# Altium PCB Ultra_CAP.PcbDoc (part 1 of 2) (continued)
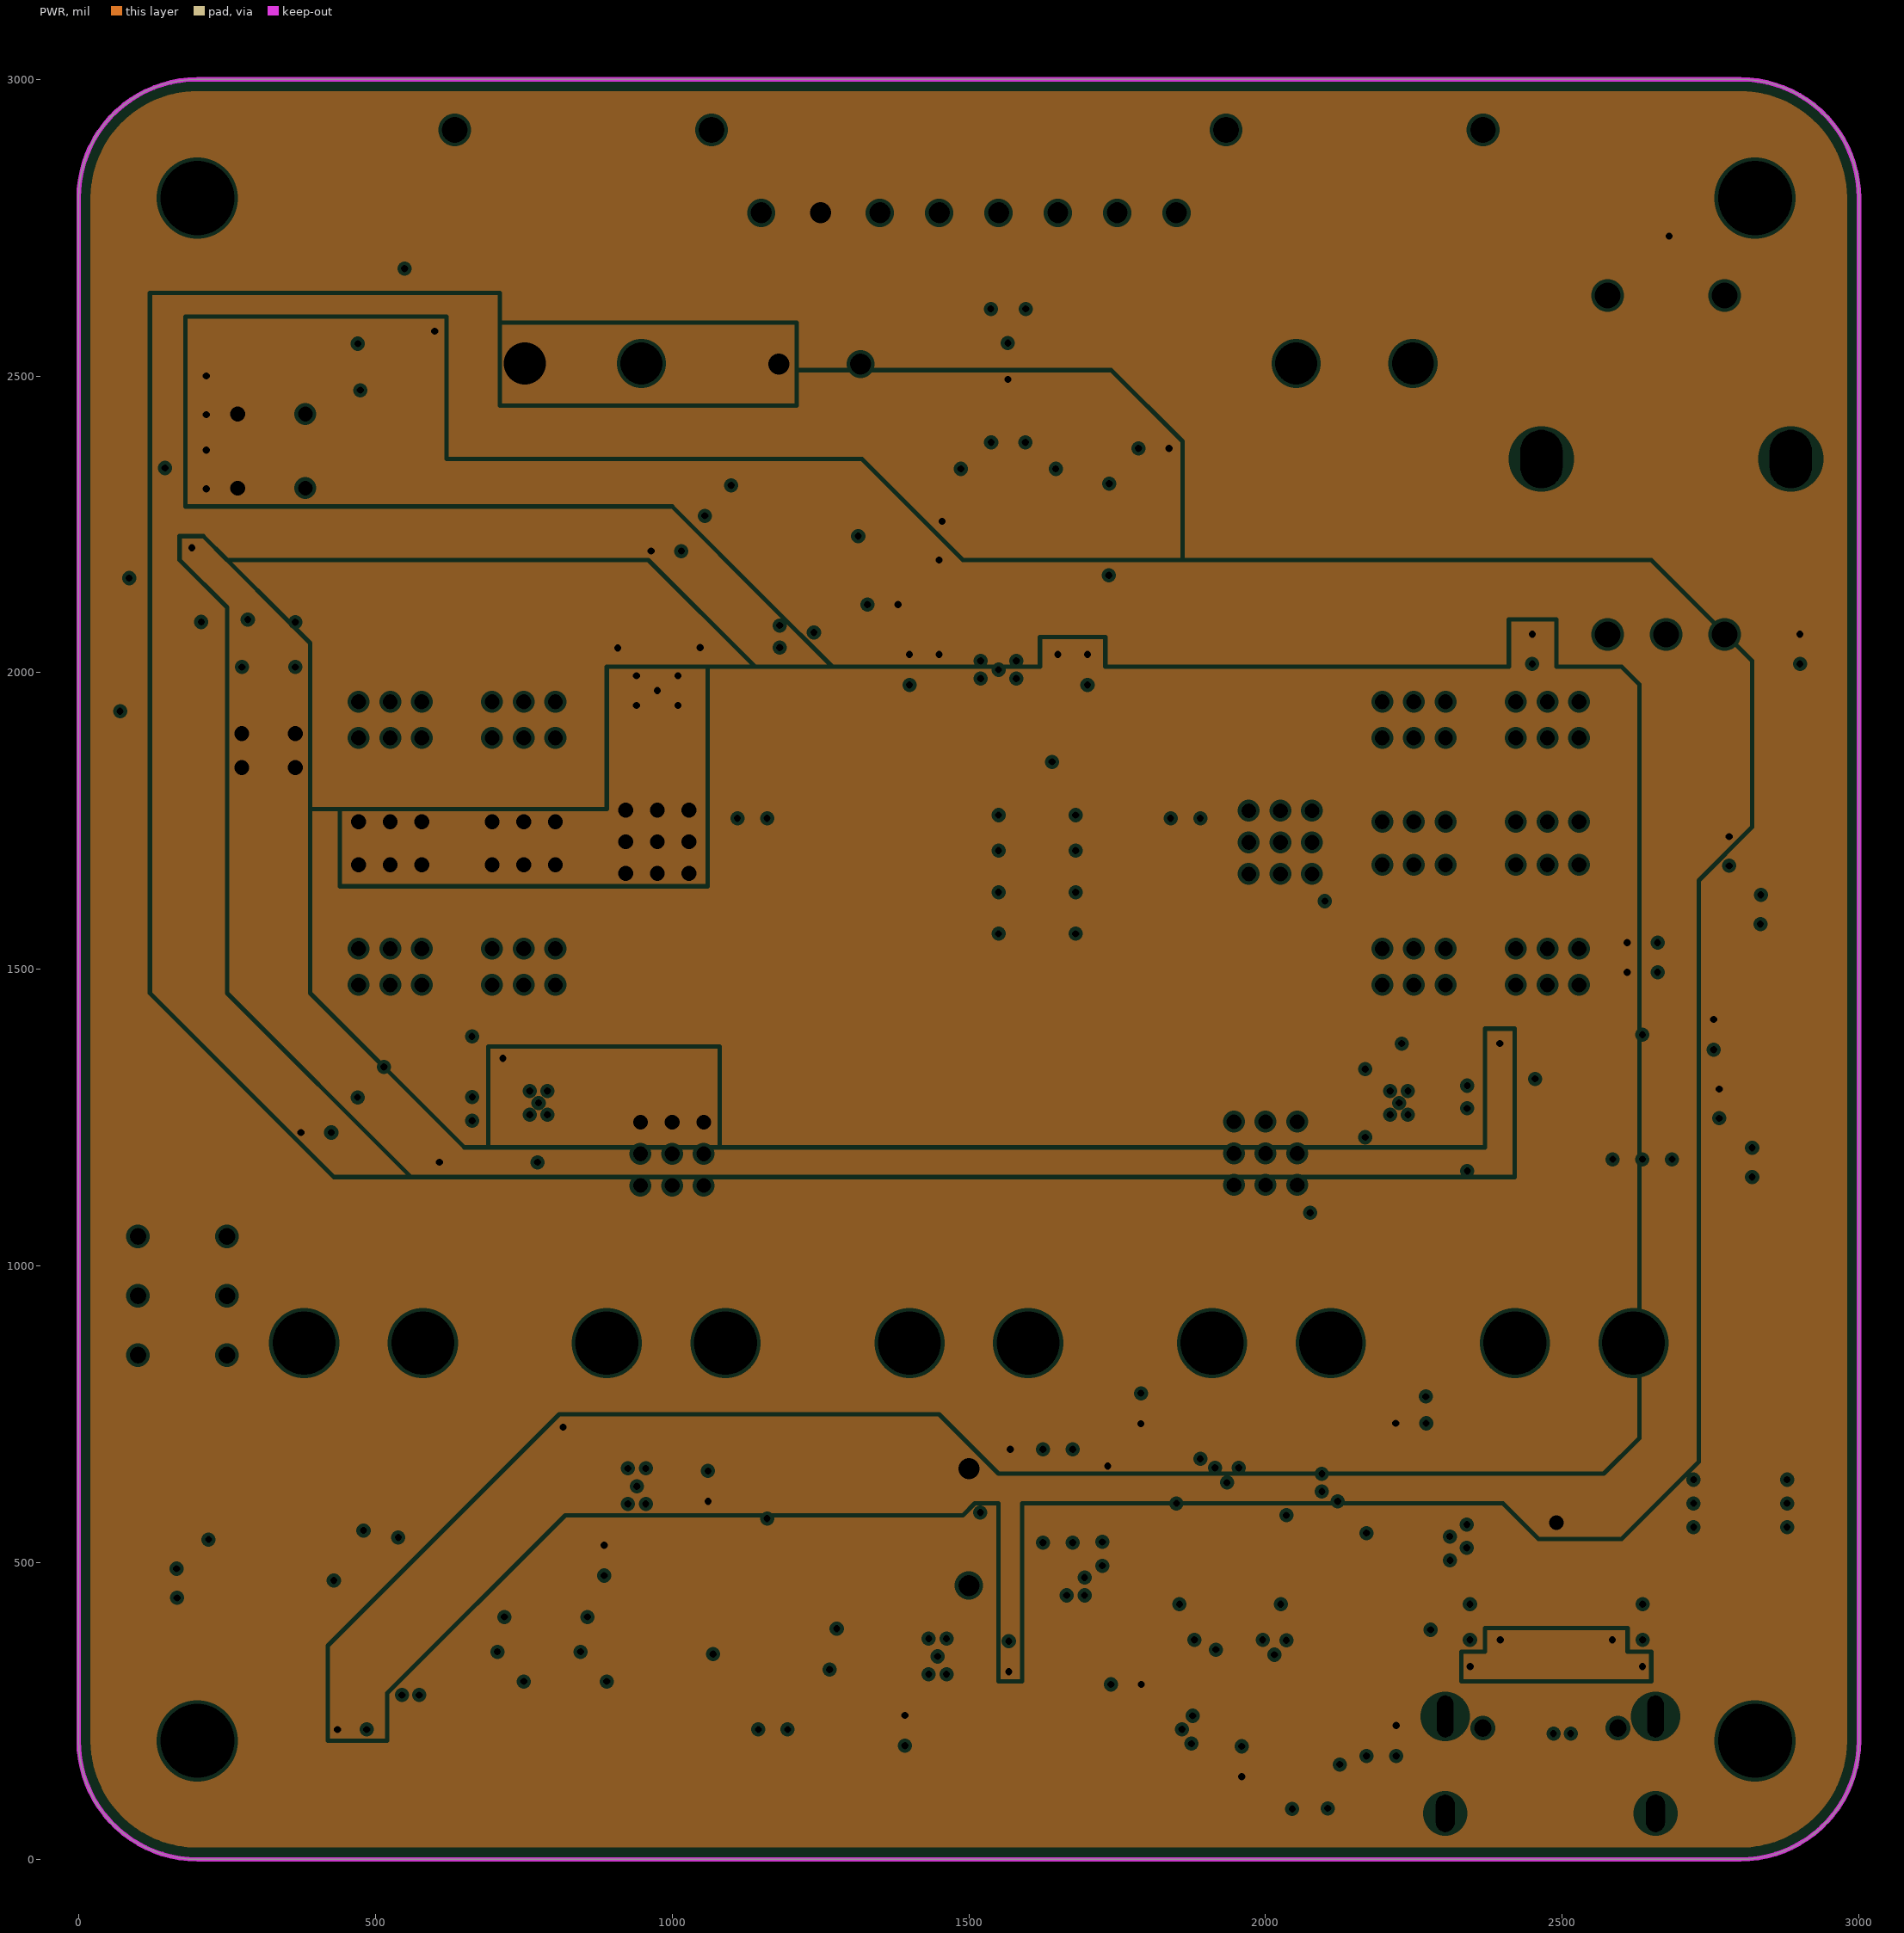
[diagram p3: PWR, clearances drawn from the general rule]
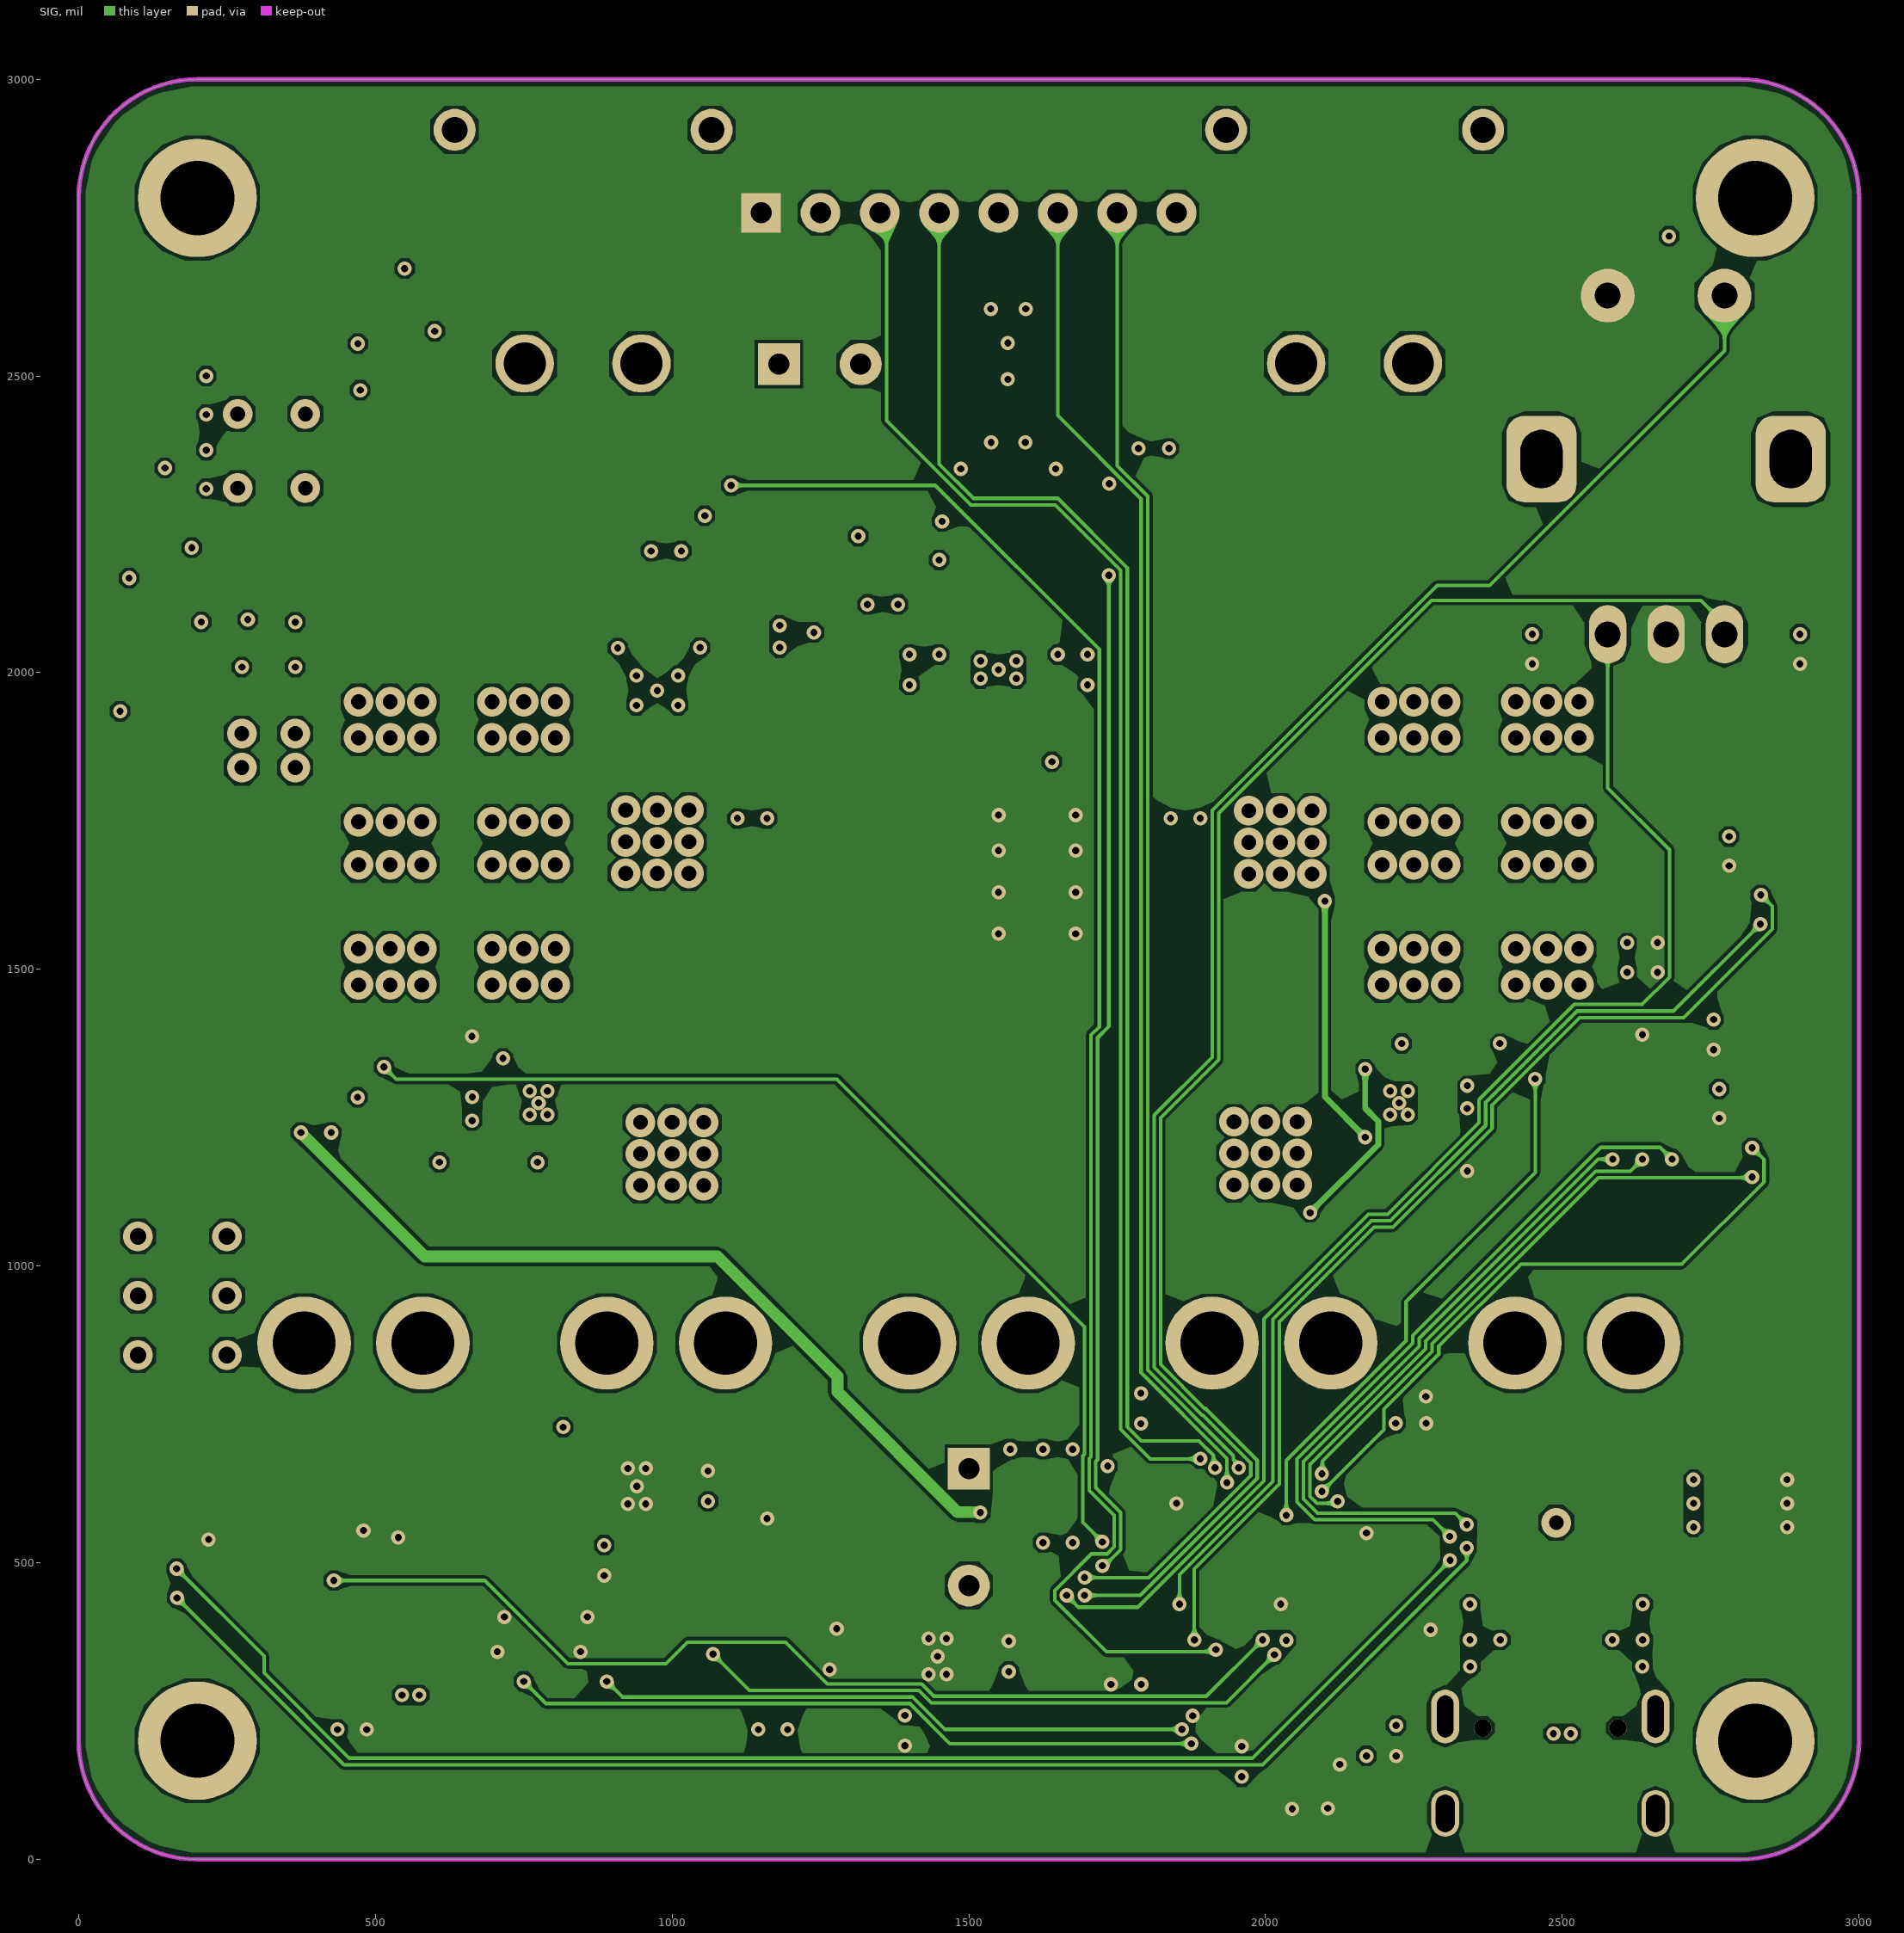
[diagram p4: SIG]
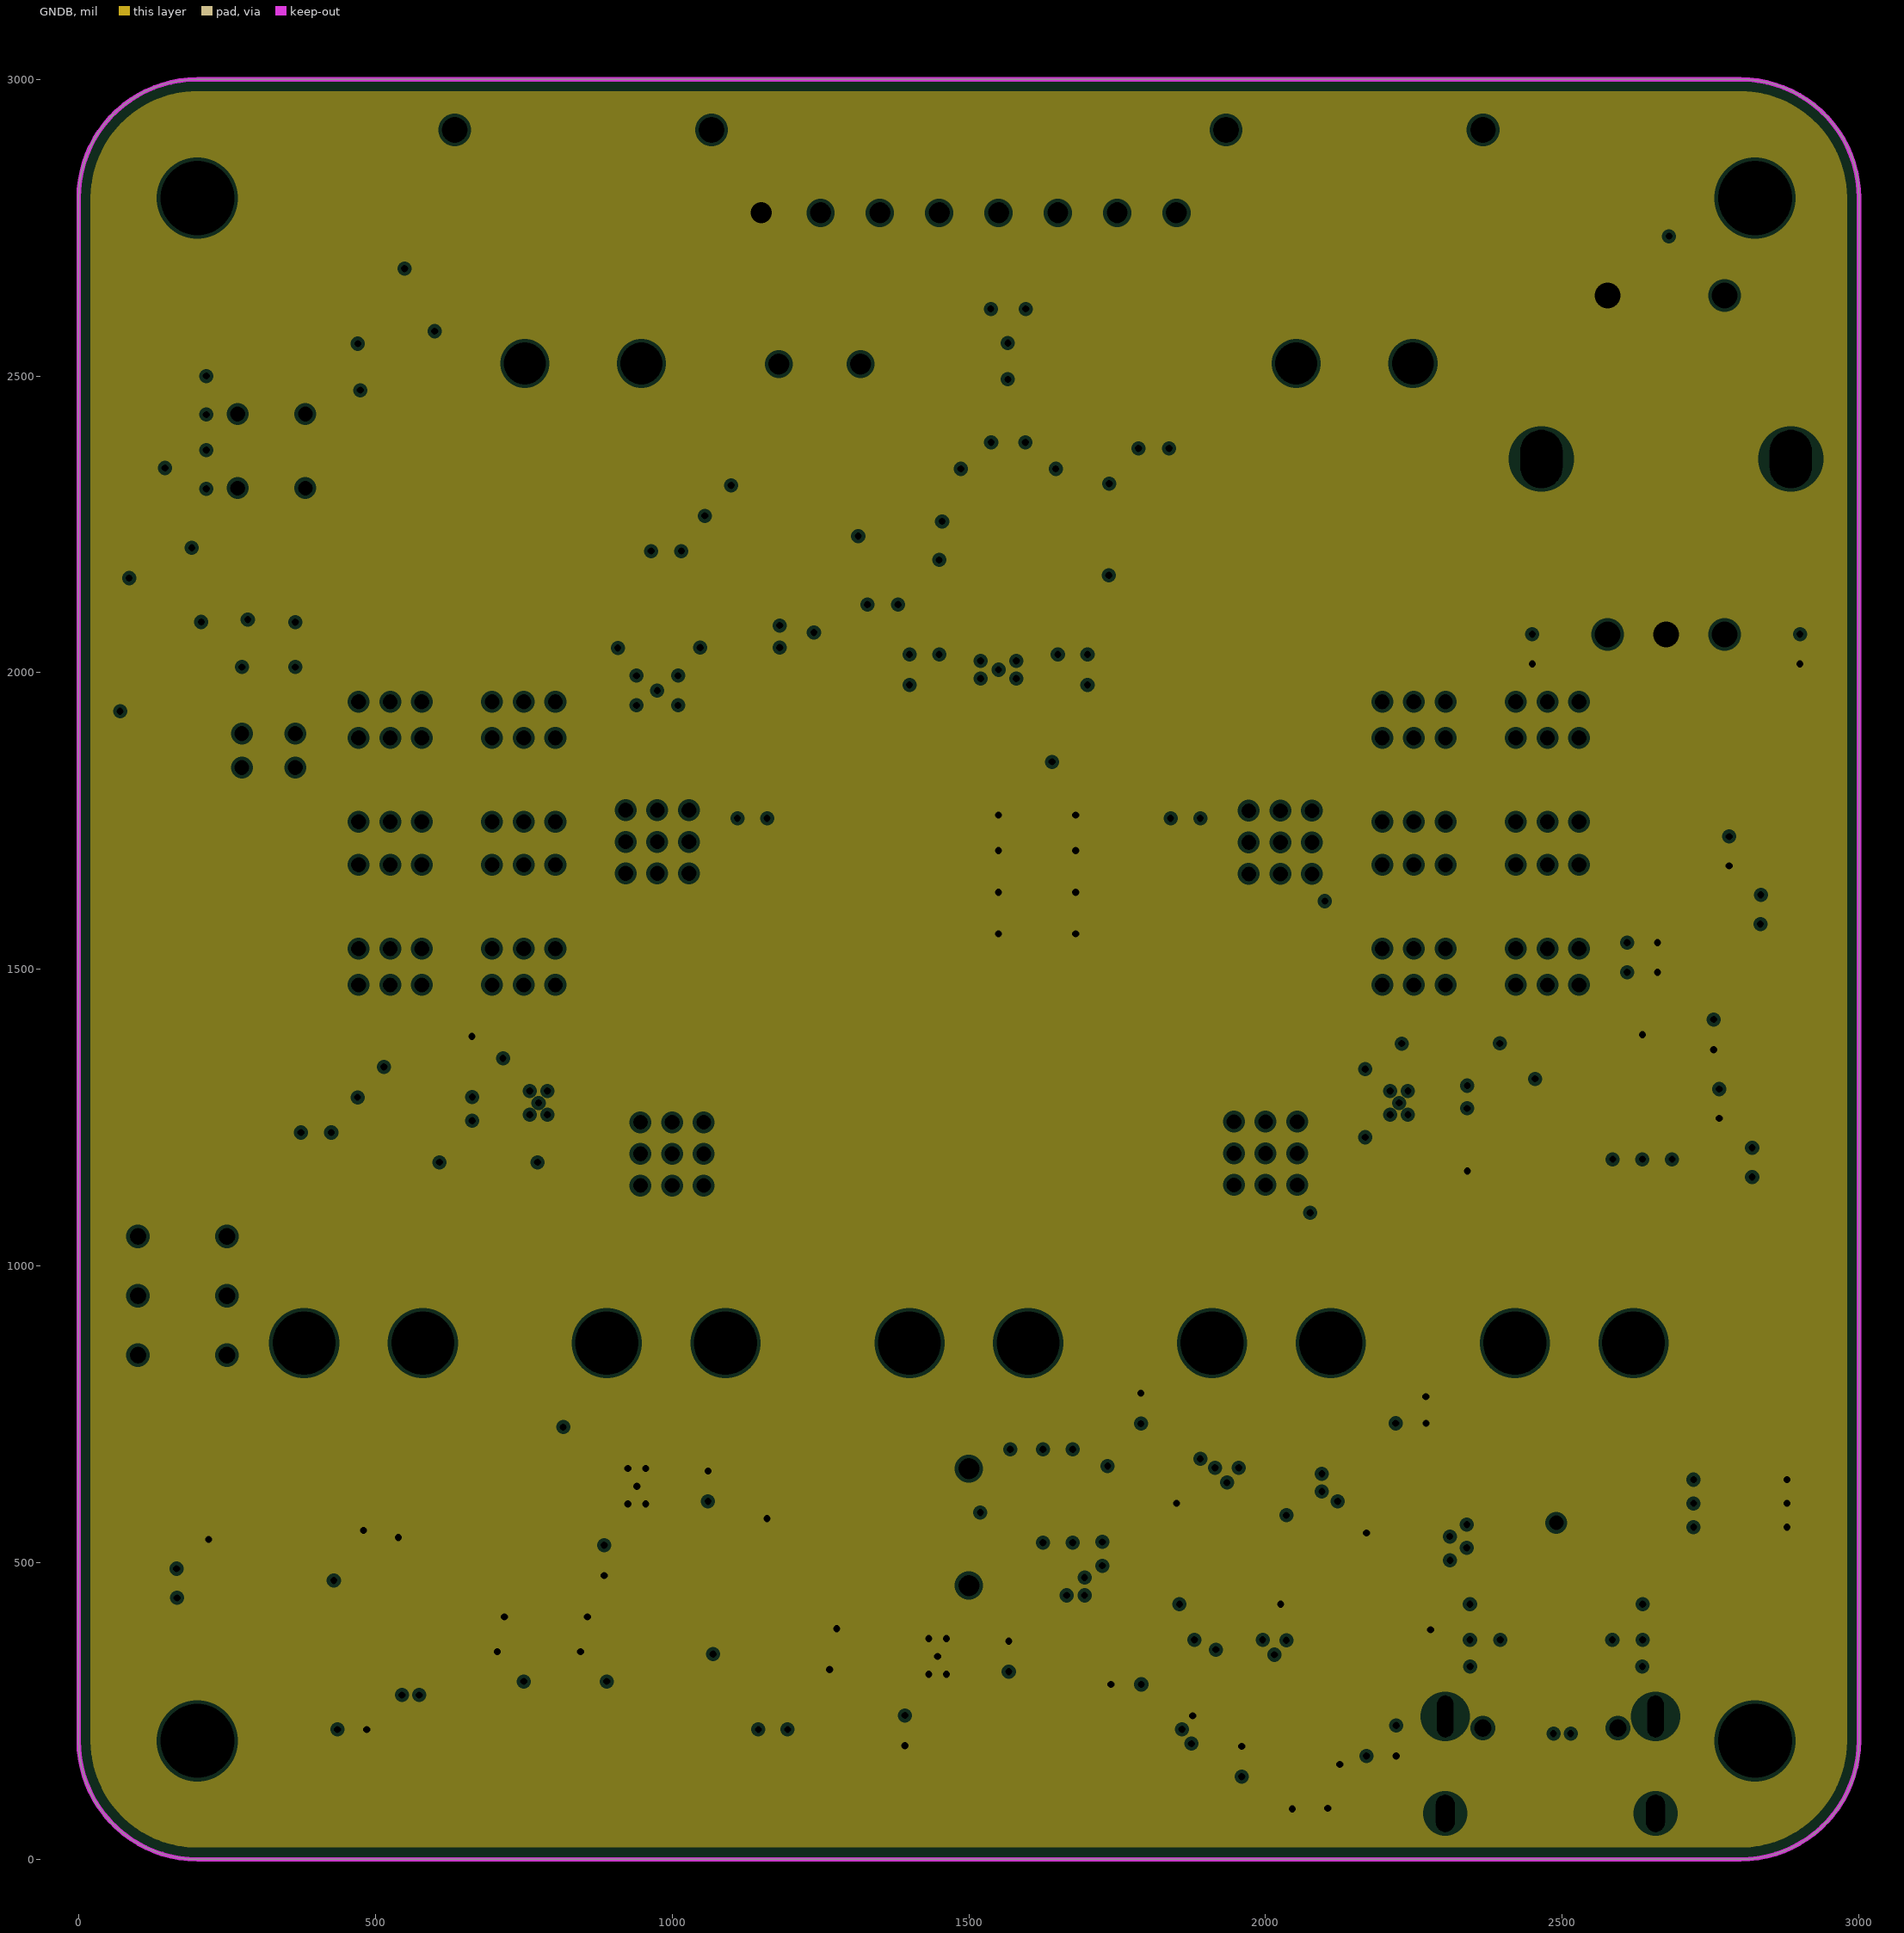
[diagram p5: GNDB, clearances drawn from the general rule]

## Layer stack, top to bottom
Top Solder: solder mask 0.4, Solder Resist, Dk 3.5
Top Layer: signal copper 1.38
Dielectric 2: prepreg 3.91, PP-006, Dk 4.1
GNDA: plane copper 0.6, net (Multiple Nets)
Dielectric 4: prepreg 21.65, PP-006, Dk 4.1
PWR: plane copper 0.6, net 3V3
Dielectric 1: dielectric 4.28, FR-4, Dk 4.8
SIG: signal copper 0.6
Dielectric 5: prepreg 21.65, PP-006, Dk 4.1
GNDB: plane copper 0.6, net SGND
Dielectric 3: prepreg 3.91, PP-006, Dk 4.1
Bottom Layer: signal copper 1.38
Bottom Solder: solder mask 0.4, Solder Resist, Dk 3.5

## Board outline
0,200 0,2800 cw(c200,2800) 200,3000 2800,3000 cw(c2800,2800) 3000,2800 3000,200 cw(c2800,200) 2800,0 200,0 cw(c200,200)

## Design rules (kind name [scope] priority, off if disabled: settings)
BoardOutlineClearance [All] p1: gap=12 ignorepadtopadclearanceinfootprint=FALSE
Clearance [All] p1: gap=5 ignorepadtopadclearanceinfootprint=TRUE
DiffPairsRouting [All] p1: maxlimit=10 minlimit=3.5 mostfreqgap=5 toplayer_minwidth=5 toplayer_maxwidth=15 toplayer_prefwidth=5 midlayer2_minwidth=5 midlayer2_maxwidth=15 midlayer2_prefwidth=5 bottomlayer_minwidth=5 bottomlayer_maxwidth=15 bottomlayer_prefwidth=5 maxuncoupledlength=300
Height [All] p1: minheight=0 maxheight=1000 prefheight=300
HoleSize [All] p1: absolutevalues=TRUE maxlimit=248.03 minlimit=7.87 maxpercent=80.000 minpercent=20.000
MinimumAnnularRing [All] p1: minimumring=7.87
MinimumSolderMaskSliver [All] p1: minsoldermaskwidth=5.12
PermittedLayers [All] p1: toplayerpermitted=TRUE bottomlayerpermitted=TRUE
PlaneClearance [All] p1: clearance=6
PlaneConnect [All] p1: planeconnectstyle=Direct reliefexpansion=20 reliefentries=4 reliefconductorwidth=10 reliefairgap=10
PolygonConnect [All] p1: connectstyle=Direct reliefconductorwidth=10 reliefentries=4 polygonreliefangle="90 Angle" airgapwidth=10
RoutingVias [All] p1: holewidth=8 width=16 viastyle="Through Hole" minholewidth=7.87 minwidth=11.81 maxholewidth=28 maxwidth=50
SignalStimulus "Schematic Signal Stimulus_1" [InNet('USB_P')] p1: kind=2 level=1 starttime=0.000 stoptime=41.67n periodtime=83.33n
SignalStimulus "Schematic Signal Stimulus" [InNet('USB_N')] p2: kind=2 level=1 starttime=0.000 stoptime=41.67n periodtime=83.33n
SilkToSilkClearance [All] p1: silktosilkclearance=2
SilkToSolderMaskClearance [IsPad] p1: minsilkscreentomaskgap=5.91 clearancetoexposedcopper=TRUE
SolderMaskExpansion [All] p1: expansion=4 istentingtop=FALSE
SupplyNets "Schematic Supply Nets_16" [InNet('AGND')] p1: voltage=0.000
SupplyNets "Schematic Supply Nets_15" [InNet('SGND')] p2: voltage=0.000
SupplyNets "Schematic Supply Nets_14" [InNet('NetC61_2')] p3: voltage=5.000
SupplyNets "Schematic Supply Nets_13" [InNet('NetC58_2')] p4: voltage=3.300
SupplyNets "Schematic Supply Nets_12" [InNet('NetC54_2')] p5: voltage=3.300
SupplyNets "Schematic Supply Nets_11" [InNet('NetChassis_in_2')] p6: voltage=24.00
SupplyNets "Schematic Supply Nets_10" [InNet('VIN')] p7: voltage=24.00
SupplyNets "Schematic Supply Nets_9" [InNet('NetBuck_5V_1')] p8: voltage=24.00
SupplyNets "Schematic Supply Nets_8" [InNet('VIN_ORing')] p9: voltage=24.00
SupplyNets "Schematic Supply Nets_7" [InNet('NetBuck_12V_1')] p10: voltage=24.00
SupplyNets "Schematic Supply Nets_6" [InNet('VCAP_Cin')] p11: voltage=23.50
SupplyNets "Schematic Supply Nets_5" [InNet('VCAP')] p12: voltage=23.50
SupplyNets "Schematic Supply Nets_4" [InNet('12V')] p13: voltage=12.00
SupplyNets "Schematic Supply Nets_3" [InNet('5V')] p14: voltage=5.000
SupplyNets "Schematic Supply Nets_2" [InNet('3V3')] p15: voltage=3.300
SupplyNets "Schematic Supply Nets_1" [InNet('3V3_R')] p16: voltage=3.300
UnConnectedPin [All] p1:
UnRoutedNet [All] p1: checkbadconnections=TRUE
Width Width_PWR [InNetClass('Power_Class')] p1: maxlimit=200 minlimit=7 preferedwidth=15 checkconnectedcopper=TRUE
Width [All] p2: maxlimit=20 minlimit=3.5 preferedwidth=5 checkconnectedcopper=TRUE
21 further rules are at their usual default settings.

## Classes and differential pairs
net class Power_Class: 3V3 3V3_R 5V 12V AGND NetBuck_5V_1 NetBuck_12V_1 NetC54_2 NetC58_2 NetC61_2 NetChassis_in_2 NetChassis_outA_1 SGND VCAP VCAP_Cin VIN VIN_ORing
component class Power: 3V3_Power 3V3_Ref Buck_5V Buck_12V C1 C2 C3 C4 C6 C7 C8 C9 C10 C11 C12 C13 C14 C15 C16 C17 C18 C19 C20 C21 C22 C23 C24 C25 C26 C27 C28 C29 C30 C31 C32 C33 C34 C35 C36 C37 C38 C39 C40 C41 C42 C43 C44 CAP Chassis_in Chassis_outA Chassis_outB Chassis_outC Chassis_outD Chassis_outE D1 D2 D3 D4 Drive_L Drive_R E1 L1 L2 L3 LED_3V3 LED_5V LED_12V MOS_LD MOS_LU MOS_RD MOS_RU ORing ORing_M R1 R2 R3 R4 R5 R6 R7 R8 R9 R10 R11 R12 R13 R14 R15 R16 R17 R18 R19 R20 R21 R22 R23 R24 R25 R26 R27 R28 S_CCAP S_CIN S_COUT S_V
component class Digital: B C45 C46 C47 C48 C49 C50 C51 C52 C53 C54 C55 C56 C57 C58 C59 C60 C61 C62 C63 C64 C65 C66 C67 CAN_swA CAN_swB CANA1 CANA2 CANA3 CANA4 CANA5 CANB D5 D6 EC11 GYRO IPS Judgment_UART L4 L5 LED LS M3A M3B M3C M3D Q1 Q2 Q3 Q4 R29 R30 R31 R32 R33 R34 R35 R36 R37 R38 R39 R40 R41 R42 R43 R44 R45 R46 R47 R48 R49 R50 RST STM32G474 SWD USB_C Usr_UART X_24M
differential pair VIN: +VIN_C+ -VIN_C-
differential pair VCAP: +VCAP_C+ -VCAP_C-
differential pair USB: +USB_P -USB_N
differential pair Chassis: +Chassis_C+ -Chassis_C-
differential pair CANB: +CANB_H -CANB_L
differential pair CANA: +CANA_H -CANA_L

## Components (designator, comment, footprint, x,y, rotation, side; value= is the part's Value field where it differs from the comment)
3V3_Power "LD39050PU33R" SON_DFN6_3X3_STM-L 1550,2005 r90 top
3V3_Ref "NCP51460SN33T1G" SOT23 1355,2230 r180 top
B "680R@100MHz/4A" R1812_L 2800,600 r180 top
Buck_5V "AP63356DV-7" AP63356DV7 500,2581.1 r180 top
Buck_12V "AP63356DV-7" AP63356DV7 180,2115 r270 top
C1 "100nF" C0603_L 475,2681.1 r0 top
C2 "100nF" C0603_L 1355,2115 r0 top
C3 "47pF" C0603_L 655,2601.1 r270 top
C4 "10uF/50V" C0603_L 500,2476.1 r0 top
C6 "100nF" C0603_L 1238.93,2042.21 r270 top
C7 "22uF" C1210_L 325,2436.1 r180 top
C8 "22uF" C1210_L 325,2311.1 r180 top
C9 "100nF" C0603_L 85,2050 r90 top
C10 "1uF" C0603_L 1400,2005 r90 top
C11 "100nF" C0603_L 1450,2005 r90 top
C12 "10uF/50V" C0603_L 285,2115 r90 top
C13 "2.7nF" C0603_L 1620.83,2388.14 r180 top
C14 "2.7nF" C0603_L 1512.01,2388.14 r180 top
C15 "47uF" C1206_L 275,1954.34 r270 top
C16 "47uF" C1206_L 365,1954.34 r270 top
C17 "1uF" C0603_L 1650,2005 r90 top
C18 "100nF" C0603_L 1700,2005 r90 top
C19 "1uF" C0603_L 1565.75,2525 r270 bottom
C20 "1uF" C0603_L 1110,1780 r90 top
C21 "1uF" C0603_L 1160,1780 r90 top
C22 "22uF" "C2220_no overlay" 750,1850 r270 top
C23 "22uF" "C2220_no overlay" 525,1850 r270 top
C24 "22uF" "C2220_no overlay" 750,1575 r90 top
C25 "22uF" "C2220_no overlay" 525,1575 r90 top
C26 "22uF" "C2220_no overlay" 2475,1850 r270 top
C27 "22uF" "C2220_no overlay" 2250,1850 r270 top
C28 "22uF" "C2220_no overlay" 2475,1575 r90 top
C29 "22uF" "C2220_no overlay" 2250,1575 r90 top
C30 "1uF" C0603_L 1840,1780 r90 top
C31 "1uF" C0603_L 1890,1780 r90 top
C32 "1uF" C0603_L 1055,2290 r270 top
C33 "2.7nF" C0603_L 1736.57,2292.82 r90 top
C34 "100nF" C0603_L 632.82,1349.96 r0 top
C35 "100nF" C0603_L 2370,1200 r180 top
C36 "100nF" C0603_L 990,2205 r0 top
C37 "100nF" C0603_L 1811.57,2377.82 r180 top
C38 "1uF" C0603_L 747.82,1174.96 r0 top
C39 "1uF" C0603_L 2255,1375 r180 top
C40 "2.7nF" C0603_L 470,1310 r270 top
C41 "100nF" C0603_L 400,1225 r0 top
C42 "100nF" C0603_L 880,2290 r270 top
C43 "100nF" C0603_L 1916.57,2292.82 r270 top
C44 "100nF" C0603_L 295,1310 r90 top
C45 "100nF" C0603_L 2000,430 r180 top
C46 "100nF" C0603_L 1567.37,342.08 r270 bottom
C47 "100nF" C0603_L 1392.37,217.08 r90 bottom
C48 "10uF" C0603_L 1160,600 r90 top
C49 "1uF" C0603_L 1765,295 r0 bottom
C50 "100nF" C0603_L 2220,200 r90 bottom
C51 "100nF" C0603_L 2245,735 r180 bottom
C52 "100nF" C0603_L 1790,760 r90 bottom
C53 "100nF" C0603_L 1060.59,628.99 r270 bottom
C54 "1uF" C0603_L 1675,665.59 r270 bottom
C55 "10nF" C0603_L 1625,665.59 r270 bottom
C56 "100nF" C0603_L 885.59,503.99 r90 bottom
C57 "1uF" C0603_L 2170,200 r90 bottom
C58 "1uF" C0603_L 1625,559.41 r90 bottom
C59 "10nF" C0603_L 1675,559.41 r90 bottom
C60 "100nF" C0603_L 1960,165 r270 bottom
C61 "100nF" C0603_L 2370,370 r0 top
C62 "1uF" C0603_L 2610,370 r180 top
C63 "100nF" C0603_L 2475,2015 r0 top
C64 "100nF" C0603_L 2875,2015 r180 top
C65 "10nF" C0603_L 2635,1495 r180 bottom
C66 "100nF" C0603_L 2755,1390 r90 bottom
C67 "2.2uF" C0603_L 2635,1545 r180 bottom
CAN_swA "TJA1441ATK/0Z" SON65P300X300X100-9N-D 1447.37,342.08 r180 bottom
CAN_swB "TJA1441ATK/0Z" SON65P300X300X100-9N-D 940.59,628.99 r180 bottom
CANA1 "HDR-1X2" CONN-SMD_2P-P1.25_JUSHUO_GH125-S02DCA-00 860,150 r0 top
CANA2 "HDR-1X2" CONN-SMD_2P-P1.25_JUSHUO_GH125-S02DCA-00 1170,150 r0 top
CANA3 "HDR-1X2" CONN-SMD_2P-P1.25_JUSHUO_GH125-S02DCA-00 1480,150 r0 top
CANA4 "HDR-1X2" CONN-SMD_2P-P1.25_JUSHUO_GH125-S02DCA-00 1790,150 r0 top
CANA5 "HDR-1X2" CONN-SMD_2P-P1.25_JUSHUO_GH125-S02DCA-00 2100,150 r0 top
CANB "HDR-1X4" CONN-SMD_4P-P1.27_GH125-S04DCA-00 510,150 r0 top
CAP "XT30PW-M" CONN-TH_XT30PW-M 2150,2755 r180 top
Chassis_in "XT30PW-M" CONN-TH_XT30PW-M 850,2755 r180 top
Chassis_outA "XT30-F" XT30-F 480,870 r0 top
Chassis_outB "XT30-F" XT30-F 990,870 r180 top
Chassis_outC "XT30-F" XT30-F 1500,870 r180 top
Chassis_outD "XT30-F" XT30-F 2010,870 r180 top
Chassis_outE "XT30-F" XT30-F 2520,870 r180 top
D1 "PSBD1DF40V2L" SOD-123 525,2322.5 r90 top
D2 "PSBD1DF40V2L" SOD-123 455,2165 r180 top
D3 "CUS08F30" SOD-323 2395,1320 r270 top
D4 "CUS08F30" SOD-323 607.82,1229.96 r90 top
D5 "1N4148" SOD-323 1240,600 r90 top
D6 "PSBD1DF40V2L" SOD-123 2490,500 r90 top
Drive_L "ADP3110AKCPZ-RL" SON50P300X300X100-9N 775,1275 r0 top
Drive_R "ADP3110AKCPZ-RL" SON50P300X300X100-9N 2225,1275 r180 top
E1 "100uF/50V" "CT 3.5*8*8 - R" 1248.9,2520 r180 top
EC11 "EC11" EC11 2675,2350 r270 top
GYRO "ICM-42605" "PQFN50P300X250X97-14N - duplicate" 2635,1390 r0 bottom